# Altium PCB Power_Board_2.PcbDoc (part 2 of 6) (continued)
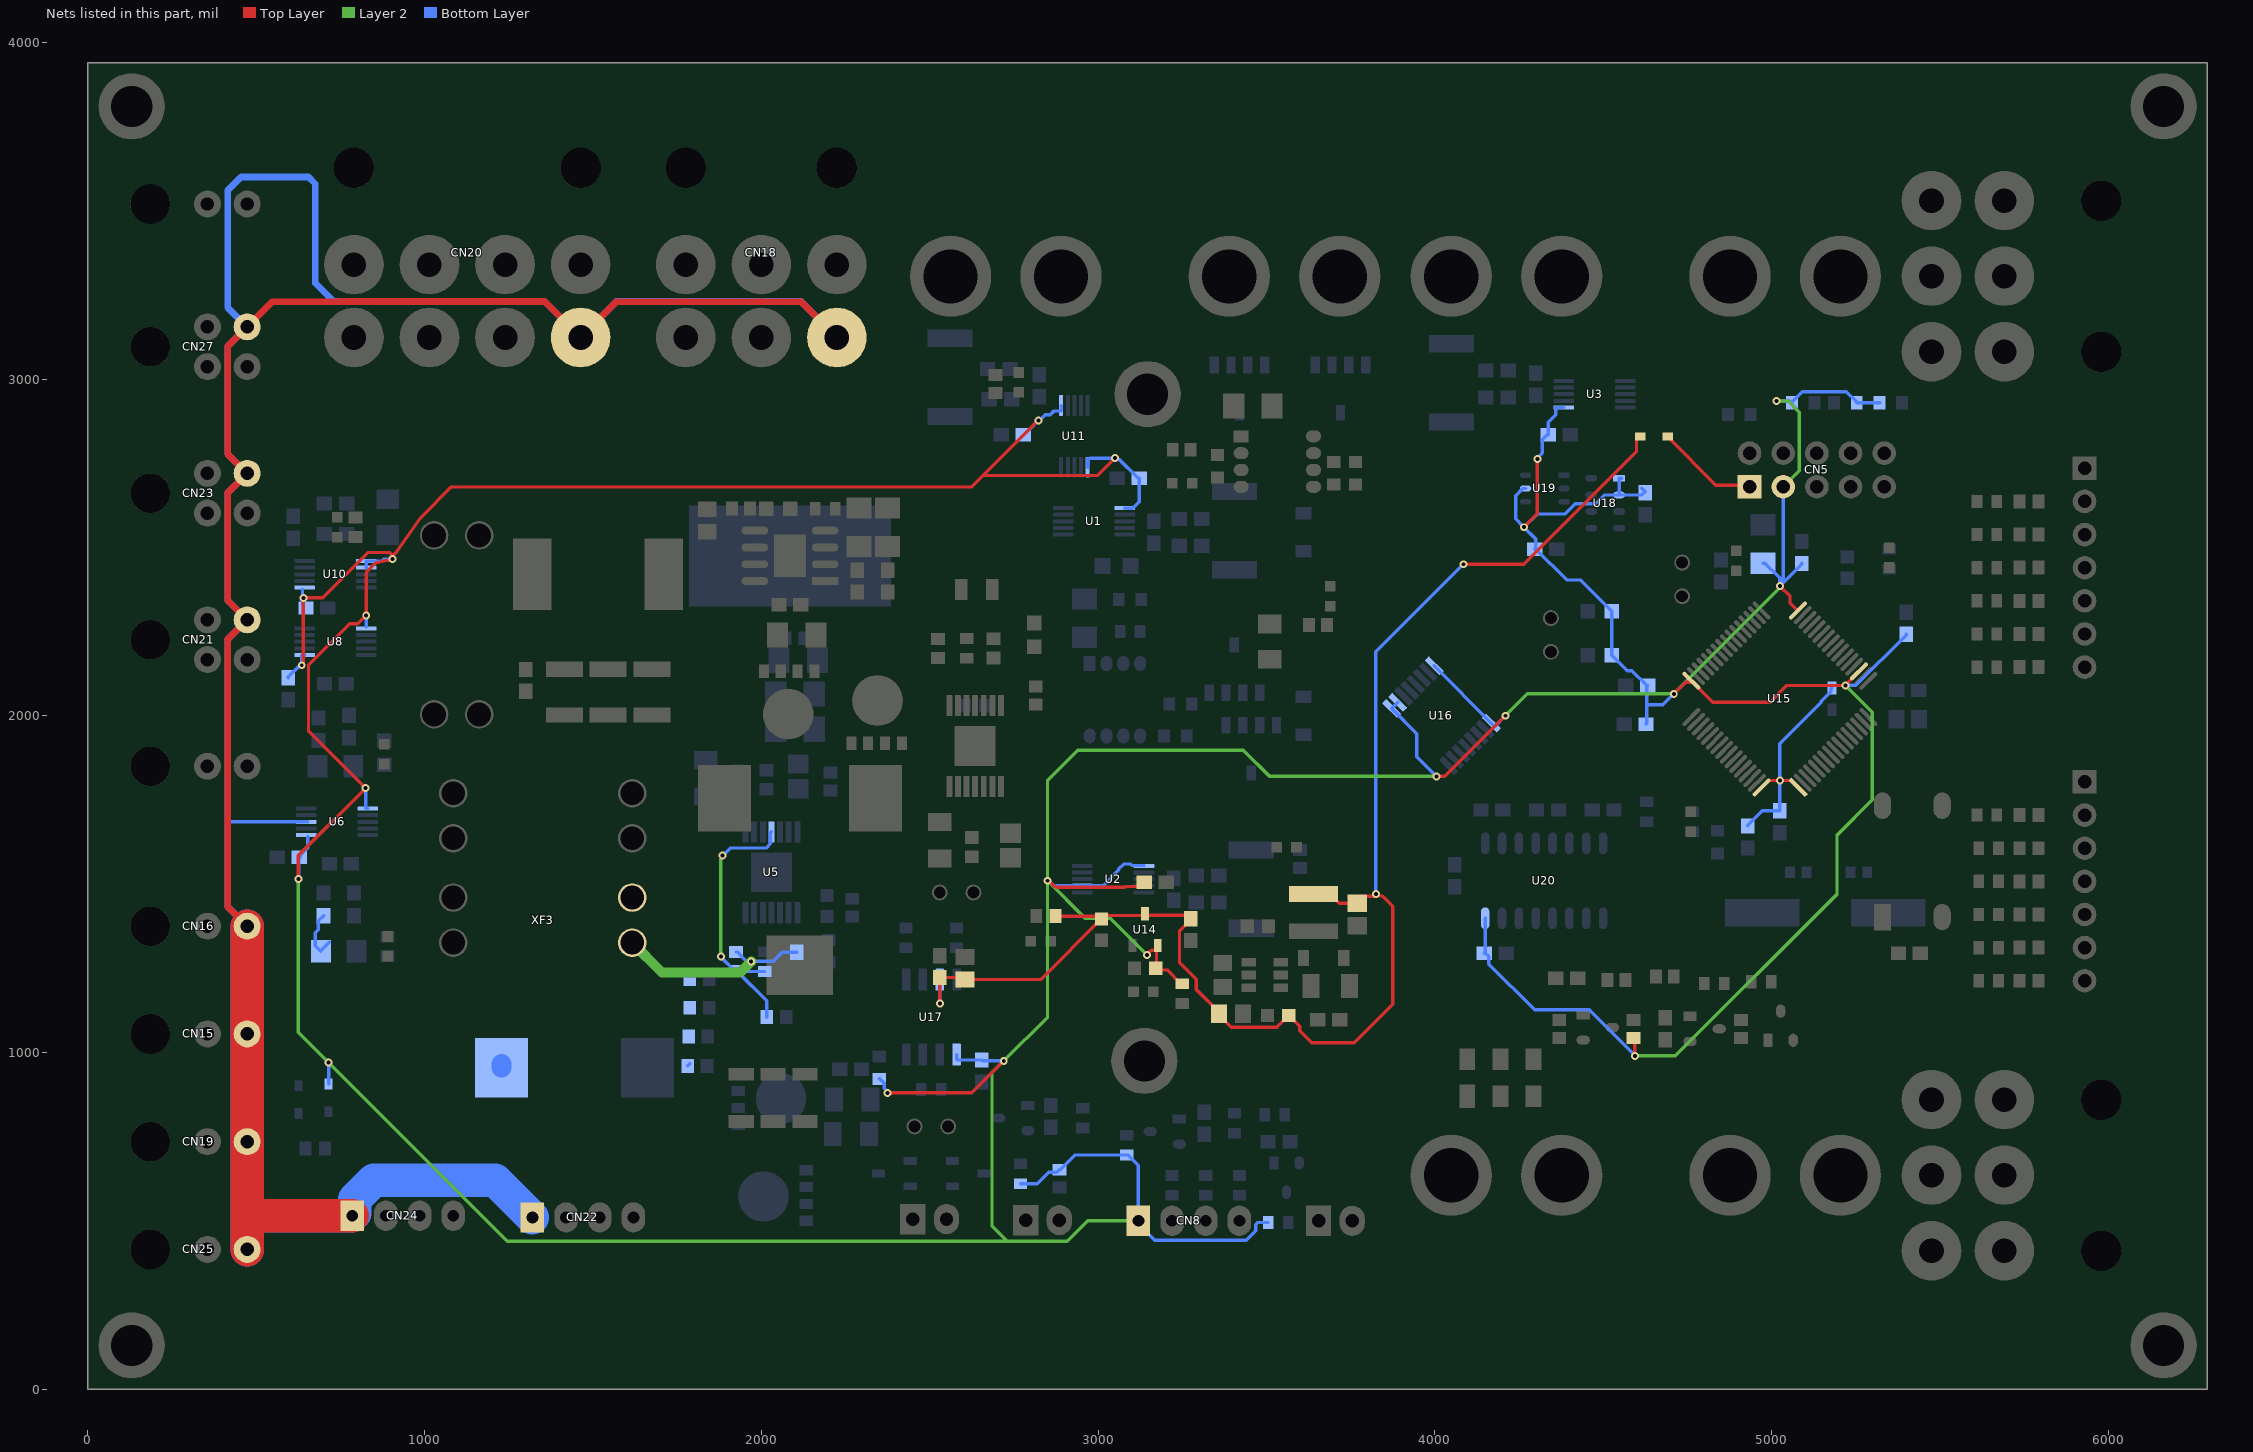
[diagram p3: the nets of this part, all layers, seen from the top]
## Part data (continued)
R2 R3 R75 R86: library part CMP-00072-2, "VISHAY         CRCW06036K34FKEA.             SMD Chip Resistor, Thick Film, 6.34 kohm, 75 V, 0603 [1608 Metric], 100 mW,  1%, CRCW Series", Case Code (Imperial)=0603, Case Code (Metric)=1608, Max Operating Temperature=155°C, Max Power Dissipation=100mW, Min Operating Temperature=-55°C, Package Quantity=10, Resistance=6.34kR, Temperature Coefficient=100ppm/°C, Tolerance=1%, Voltage Rating=75V, Case/Package=0603, Composition="Thick Film", Contact Plating=Tin, Depth=0.85mm, Features="Automotive AEC-Q200", Height=0.45mm, Length=1.55mm, Military Standard=Not, Number of Pins=2, Number of Terminations=2, packaging="Tape and Reel", Power Rating=100mW, Radiation Hardening=No, REACH SVHC=Unknown, Termination=SMD/SMT, Weight=7.1E-05oz, Width=0.033inch
R4 R5 R15 R16 R17 R18 R49 R50 R60 R61 R69 R70 R76 R77: library part CMP-00034-3, "PANASONIC - ERJ3EKF10R0V - SMD Chip Resistor, 0603 [1608 Metric], 10 ohm, ERJ3EK Series, 75 V, Thick Film, 100 mW", Case Code (Imperial)=0603, Case Code (Metric)=1608, Max Operating Temperature=155°C, Max Power Dissipation=100mW, Min Operating Temperature=-55°C, Package Quantity=5000, Resistance=10R, Temperature Coefficient=100ppm/°C, Tolerance=1%, Voltage Rating=75V, Case/Package=0603, Composition="Thick Film", Contact Plating=Tin, Depth=0.8mm, Features="Automotive AEC-Q200", Height=0.45mm, Lead Free="Lead Free", Length=1.6mm, Military Standard=Not, Mount="Surface Mount", Number of Pins=2, Number of Terminations=2, packaging="Tape and Reel", Power Rating=100mW, Radiation Hardening=No, REACH SVHC="No SVHC", Termination=SMD/SMT, Voltage Rating (DC)=75V, Width=0.8mm, Working Voltage=75V
R6 R7 R8 R74: library part CMP-047-0000-2, "300 µOhms ±1% 3W Chip Resistor 2512 (6432 Metric) Automotive AEC-Q200, Current Sense, Moisture Resistant Metal Element", Case Code (Imperial)=2512, Case Code (Metric)=6432, Max Operating Temperature=170°C, Max Power Dissipation=3W, Min Operating Temperature=-55°C, Package Quantity=4000, Resistance=0.3mR, Temperature Coefficient=150ppm/°C, Tolerance=1%, Case/Package=2512, Composition="Metal Element", Features="Moisture Resistant,Automotive AEC-Q200", Height=0.038inch, Length=0.256inch, Number of Terminations=2, packaging="Cut Tape", Width=0.128inch
R9 R10 R11 R12 R13 R14 R30 R31 R32 R33 R34 R35 R36 R44 R52 R55 R63 R71 R94 R108 R113 R114 R115 R116 R117 R118 R119 R120 R121 R122: library part CMP-00037-2, "Res General Purpose Thick Film 0603 10K Ohm 1% 1/10W ±100ppm/°C Molded SMD Paper T/R", Case Code (Imperial)=0603, Case Code (Metric)=1608, Max Operating Temperature=155°C, Min Operating Temperature=-55°C, Power Rating=100mW, Resistance=10kR, Temperature Coefficient=100ppm/°C, Tolerance=1%, Voltage Rating=75V, Voltage Rating (DC)=50V, Case/Package=0603, Composition="Thick Film", Depth=0.8mm, Height=0.45mm, Lead Free="Lead Free", Lead Pitch=0.3mm, Length=1.6mm, Military Standard=Not, Number of Pins=2, packaging="Tape and Reel", REACH SVHC="No SVHC", Termination=SMD/SMT, Weight=7.1E-05oz, Width=0.8mm
R19 R37: library part CMP-00080-2, "GLOVE, POLYAMIDE, L/FREE, PU, SIZE 6 - More Details", Case Code (Imperial)=0603, Case Code (Metric)=1608, Max Operating Temperature=155°C, Max Power Dissipation=100mW, Min Operating Temperature=-55°C, Package Quantity=1, Resistance=5.23kR, Temperature Coefficient=100ppm/°C, Tolerance=1%, Voltage Rating=75V, Voltage Rating (DC)=50V, Case/Package=0603, Composition="Thick Film", Contact Plating=Tin, Depth=0.8mm, Features="Automotive AEC-Q200", Height=0.022inch, Lead Free="Lead Free", Length=1.6mm, Military Standard=Not, Mount="Surface Mount", Number of Terminations=2, packaging="Tape and Reel", Power Rating=100mW, Radiation Hardening=No, REACH SVHC="No SVHC", Termination=SMD/SMT, Width=0.031inch
R20 R38: library part CMP-00081-2, "RESISTOR, 0603, 21K 1%, 0.1W", Case Code (Imperial)=0603, Case Code (Metric)=1608, Max Operating Temperature=155°C, Max Power Dissipation=100mW, Min Operating Temperature=-55°C, Package Quantity=1, Resistance=21kR, Temperature Coefficient=100ppm/°C, Tolerance=1%, Voltage Rating=75V, Voltage Rating (DC)=50V, Case/Package=0603, Composition="Thick Film", Contact Plating=Tin, Depth=0.8mm, Features="Automotive AEC-Q200", Height=0.022inch, Lead Free="Lead Free", Length=1.6mm, Military Standard=Not, Mount="Surface Mount", Number of Terminations=2, packaging="Tape and Reel", Power Rating=100mW, Radiation Hardening=No, REACH SVHC=Unknown, Termination=SMD/SMT, Width=0.8mm, Working Voltage=75V
R21 R39: library part CMP-00082-2, "PANASONIC - ERJ3EKF3652V - SMD Chip Resistor, 0603 [1608 Metric], 36.5 kohm, ERJ3EK Series, 75 V, Thick Film, 100 mW", Case Code (Imperial)=0603, Case Code (Metric)=1608, Max Operating Temperature=155°C, Max Power Dissipation=100mW, Min Operating Temperature=-55°C, Package Quantity=5000, Resistance=36.5kR, Temperature Coefficient=100ppm/°C, Tolerance=1%, Voltage Rating=75V, Voltage Rating (DC)=50V, Case/Package=0603, Composition="Thick Film", Contact Plating=Tin, Depth=0.8mm, Features="Automotive AEC-Q200", Height=0.45mm, Lead Free="Lead Free", Length=1.6mm, Military Standard=Not, Mount="Surface Mount", Number of Terminations=2, packaging="Tape and Reel", Power Rating=100mW, Radiation Hardening=No, REACH SVHC="No SVHC", Termination=SMD/SMT, Width=0.031inch
R22 R40: library part CMP-00083-2, "ICK FILM, RESISTOR, 52.3KOHM, 100mW, ±1%; Product Range:PANASONIC - ERJ Series; Resistance:52.3kohm; Power Rating:100mW; Resistance Tolerance:± 1%; Resistor Case Style:0603 ^1608 Metric]; Resistor Element Type:Thick Film; MSL:-", Case Code (Imperial)=0603, Case Code (Metric)=1608, Max Operating Temperature=155°C, Max Power Dissipation=100mW, Min Operating Temperature=-55°C, Package Quantity=1, Resistance=52.3kR, Temperature Coefficient=100ppm/°C, Tolerance=1%, Voltage Rating=75V, Voltage Rating (DC)=50V, Case/Package=0603, Composition="Thick Film", Contact Plating=Tin, Depth=0.8mm, Features="Automotive AEC-Q200", Height=0.022inch, Lead Free="Lead Free", Length=1.6mm, Military Standard=Not, Mount="Surface Mount", Number of Terminations=2, packaging="Tape and Reel", Power Rating=100mW, Radiation Hardening=No, REACH SVHC="No SVHC", Termination=SMD/SMT, Width=0.8mm
R23 R41: library part CMP-00084-2, "SISTOR, THICK FILM, 66.5KOHM, 100mW,1%; Product Range:PANASONIC - ERJ Series; Resistance:66.5kohm; Power Rating:100mW; Resistance Tolerance:± 1%; Resistor Case Style:0603 ^1608 Metric]; Resistor Element Type:Thick Film; MSL:-", Case Code (Imperial)=0603, Case Code (Metric)=1608, Max Operating Temperature=155°C, Max Power Dissipation=100mW, Min Operating Temperature=-55°C, Package Quantity=1, Resistance=66.5kR, Temperature Coefficient=100ppm/°C, Tolerance=1%, Voltage Rating=75V, Voltage Rating (DC)=50V, Case/Package=0603, Composition="Thick Film", Contact Plating=Tin, Depth=0.8mm, Features="Automotive AEC-Q200", Height=0.022inch, Lead Free="Lead Free", Length=1.6mm, Military Standard=Not, Mount="Surface Mount", Number of Terminations=2, packaging="Tape and Reel", Power Rating=100mW, Radiation Hardening=No, REACH SVHC=Yes, Termination=SMD/SMT, Width=0.8mm
R24 R42: library part CMP-00085-2, "RES SMD 82.5K OHM 1% 1/10W 0603", Case Code (Imperial)=0603, Case Code (Metric)=1608, Max Operating Temperature=155°C, Max Power Dissipation=100mW, Min Operating Temperature=-55°C, Package Quantity=1, Resistance=82.5kR, Temperature Coefficient=100ppm/°C, Tolerance=1%, Voltage Rating=75V, Voltage Rating (DC)=50V, Case/Package=0603, Composition="Thick Film", Contact Plating=Tin, Depth=0.8mm, Features="Automotive AEC-Q200", Height=0.022inch, Lead Free="Lead Free", Length=1.6mm, Military Standard=Not, Mount="Surface Mount", Number of Terminations=2, packaging="Tape and Reel", Power Rating=100mW, Radiation Hardening=No, REACH SVHC="No SVHC", Termination=SMD/SMT, Width=0.031inch
R25 R26 R78 R79: library part CMP-047-0030-1, Component Type=Standard, Created By="Gabriel Green", Date Created=2017-06-23, Design Item ID="20.5 Ohm, 1%, 1/10W , 0603, SMD", Pin Count=2, Publisher=AUVic, Source=AUVic_Schematic_Library_Resistors.SchLib
R27: library part CMP-047-0066-1, Component Type=Standard, Created By="Ashwin Sira", Date Created=2016-06-10, Design Item ID="715R, 1%, 1/10W, 0603, SMD", Pin Count=2, Publisher=AUVic, Source=AUVic_Schematic_Library_Resistors.SchLib
R43 R84: library part CMP-00071-2, "SMD Chip Resistor, 0603 [1608 Metric], 536 ohm, ERJ3EK Series, 75 V, Thick Film, 100 mW", Case Code (Imperial)=0603, Case Code (Metric)=1608, Max Operating Temperature=155°C, Max Power Dissipation=100mW, Min Operating Temperature=-55°C, Package Quantity=1, Resistance=536R, Temperature Coefficient=100ppm/°C, Tolerance=1%, Voltage Rating=75V, Voltage Rating (DC)=50V, Case/Package=0603, Composition="Thick Film", Contact Plating=Tin, Depth=0.8mm, Features="Automotive AEC-Q200", Height=0.022inch, Lead Free="Lead Free", Length=1.6mm, Military Standard=Not, Mount="Surface Mount", Number of Terminations=2, packaging="Tape and Reel", Power Rating=100mW, REACH SVHC="No SVHC", Termination=SMD/SMT, Width=0.8mm
R45 R56 R67: library part CMP-00031-1, "RES 0.002 OHM 1W 1% 1206", Case Code (Imperial)=1206, Case Code (Metric)=3216, Max Operating Temperature=170°C, Max Power Dissipation=1W, Min Operating Temperature=-55°C, Package Quantity=1, Resistance=2mR, Temperature Coefficient=50ppm/°C, Tolerance=1%, Case/Package=1206, Composition="Metal Element", Height=0.024inch, Length=0.126inch, Number of Terminations=2, packaging="Tape and Reel", Width=0.063inch
R46: library part CMP-00021-2, "Res Thick Film 0603 44.2K Ohm 1% 0.1W(1/10W) ±100ppm/C Pad SMD Automotive T/R", Case Code (Imperial)=0603, Case Code (Metric)=1608, Max Operating Temperature=155°C, Max Power Dissipation=100mW, Min Operating Temperature=-55°C, Package Quantity=10, Resistance=44.2kR, Temperature Coefficient=100ppm/°C, Tolerance=1%, Voltage Rating=75V, Case/Package=0603, Composition="Thick Film", Contact Plating=Tin, Depth=0.85mm, Features="Automotive AEC-Q200", Height=0.45mm, Lead Free="Lead Free", Length=1.55mm, Military Standard=Not, Number of Terminations=2, packaging="Tape and Reel", Power Rating=100mW, Radiation Hardening=No, REACH SVHC=Unknown, Termination=SMD/SMT, Voltage Rating (DC)=75V, Weight=7.1E-05oz, Width=0.85mm
R47 R58: library part CMP-00026-2, "Res Thick Film 0603 1.3K Ohm 1% 1/10W 100ppm/C Molded SMD SMD Paper T/R", Case Code (Imperial)=0603, Case Code (Metric)=1608, Max Operating Temperature=155°C, Min Operating Temperature=-55°C, Package Quantity=5000, Power Rating=100mW, Resistance=1.3kR, Temperature Coefficient=100ppm/°C, Tolerance=1%, Voltage Rating=75V, Case/Package=0603, Composition="Thick Film", Contact Plating=Tin, Depth=0.85mm, Height=0.45mm, Lead Free="Lead Free", Length=1.55mm, Military Standard=Not, Number of Pins=2, packaging="Tape and Reel", Radiation Hardening=No, REACH SVHC=Unknown, Termination=SMD/SMT, Voltage Rating (DC)=75V, Weight=7.1E-05oz, Width=0.85mm
R48: library part CMP-00028-1, "RES SMD 5.49M OHM 1% 1/10W 0603", Case Code (Imperial)=0603, Case Code (Metric)=1608, Max Operating Temperature=155°C, Max Power Dissipation=100mW, Min Operating Temperature=-55°C, Package Quantity=10, Resistance=5.49MR, Temperature Coefficient=100ppm/°C, Tolerance=1%, Voltage Rating=75V, Case/Package=0603, Composition="Thick Film", Contact Plating=Tin, Depth=0.85mm, Features="Automotive AEC-Q200", Height=0.02inch, Lead Free="Lead Free", Length=1.55mm, Military Standard=Not, Number of Pins=2, Number of Terminations=2, packaging="Tape and Reel", Power Rating=100mW, Radiation Hardening=No, REACH SVHC=Unknown, Termination=SMD/SMT, Voltage Rating (DC)=75V, Weight=7.1E-05oz, Width=0.033inch
R51: library part CMP-00029-2, "Res Thick Film 0603 73.2K Ohm 1% 0.1W(1/10W) ±100ppm/C Pad SMD Automotive T/R", Case Code (Imperial)=0603, Case Code (Metric)=1608, Max Operating Temperature=155°C, Max Power Dissipation=100mW, Min Operating Temperature=-55°C, Package Quantity=1, Resistance=73.2kR, Temperature Coefficient=100ppm/°C, Tolerance=1%, Voltage Rating=75V, Voltage Rating (DC)=50V, Case/Package=0603, Composition="Thick Film", Contact Plating=Tin, Depth=0.8mm, Features="Automotive AEC-Q200", Height=0.022inch, Lead Free="Lead Free", Length=1.6mm, Military Standard=Not, Mount="Surface Mount", Number of Terminations=2, packaging="Tape and Reel", Power Rating=100mW, Radiation Hardening=No, REACH SVHC="No SVHC", Termination=SMD/SMT, Width=0.031inch
R54 R95 R96: library part CMP-00074-2, "RES SMD 2.26K OHM 1% 1/10W 0603", Case Code (Imperial)=0603, Case Code (Metric)=1608, Max Operating Temperature=155°C, Max Power Dissipation=100mW, Min Operating Temperature=-55°C, Package Quantity=1, Resistance=2.26kR, Temperature Coefficient=100ppm/°C, Tolerance=1%, Voltage Rating=50V, Case/Package=0603, Composition="Thick Film", Depth=0.8mm, Features="Moisture Resistant", Height=0.022inch, Lead Free="Lead Free", Length=1.6mm, Military Standard=Not, Number of Terminations=2, packaging="Tape and Reel", Power Rating=100mW, Termination=SMD/SMT, Voltage Rating (DC)=50V, Width=0.8mm
R57: library part CMP-00056-3, "GLOVE, POLYAMIDE, L/FREE, PU, SIZE 6 - More Details", Case Code (Imperial)=0603, Case Code (Metric)=1608, Max Operating Temperature=155°C, Max Power Dissipation=100mW, Min Operating Temperature=-55°C, Package Quantity=1, Resistance=412kR, Temperature Coefficient=100ppm/°C, Tolerance=1%, Voltage Rating=75V, Case/Package=0603, Composition="Thick Film", Contact Plating=Tin, Depth=0.8mm, Features="Automotive AEC-Q200", Height=0.45mm, Lead Free="Contains Lead", Length=1.6mm, Military Standard=Not, Mount="Surface Mount", Number of Terminations=2, packaging="Tape and Reel", Power Rating=100mW, Radiation Hardening=No, REACH SVHC="No SVHC", Termination=SMD/SMT, Voltage Rating (DC)=75V, Weight=7.1E-05oz, Width=0.8mm
R59: library part CMP-00052-2, "RES SMD 9.76M OHM 1% 1/10W 0603", Case Code (Imperial)=0603, Case Code (Metric)=1608, Max Operating Temperature=155°C, Max Power Dissipation=100mW, Min Operating Temperature=-55°C, Package Quantity=10, Resistance=9.76MR, Temperature Coefficient=100ppm/°C, Tolerance=1%, Voltage Rating=75V, Case/Package=0603, Composition="Thick Film", Contact Plating=Tin, Depth=0.85mm, Features="Automotive AEC-Q200", Height=0.02inch, Lead Free="Lead Free", Length=1.55mm, Military Standard=Not, Number of Pins=2, Number of Terminations=2, packaging="Tape and Reel", Power Rating=100mW, Radiation Hardening=No, REACH SVHC=Unknown, Termination=SMD/SMT, Voltage Rating (DC)=75V, Weight=7.1E-05oz, Width=0.033inch
R62: library part CMP-00055-2, "RES, THICK FILM, 191KOHM, 0.1W, 0603", Case Code (Imperial)=0603, Case Code (Metric)=1608, Max Operating Temperature=155°C, Max Power Dissipation=100mW, Min Operating Temperature=-55°C, Package Quantity=1, Resistance=191kR, Temperature Coefficient=100ppm/°C, Tolerance=1%, Voltage Rating=75V, Voltage Rating (DC)=50V, Case/Package=0603, Composition="Thick Film", Contact Plating=Tin, Depth=0.8mm, Features="Automotive AEC-Q200", Height=0.45mm, Lead Free="Contains Lead", Length=1.6mm, Military Standard=Not, Mount="Surface Mount", Number of Terminations=2, packaging="Tape and Reel", Power Rating=100mW, REACH SVHC="No SVHC", Termination=SMD/SMT, Width=0.8mm
R66: library part CMP-00075-2, "RES SMD 3.32K OHM 1% 1/10W 0603", Case Code (Imperial)=0603, Case Code (Metric)=1608, Max Operating Temperature=155°C, Max Power Dissipation=100mW, Min Operating Temperature=-55°C, Package Quantity=5000, Resistance=3.32kR, Temperature Coefficient=100ppm/°C, Tolerance=1%, Voltage Rating=75V, Voltage Rating (DC)=50V, Case/Package=0603, Composition="Thick Film", Contact Plating=Tin, Depth=0.8mm, Features="Automotive AEC-Q200", Height=0.45mm, Lead Free="Lead Free", Length=1.6mm, Military Standard=Not, Mount="Surface Mount", Number of Terminations=2, packaging="Tape and Reel", Power Rating=100mW, Radiation Hardening=No, REACH SVHC="No SVHC", Termination=SMD/SMT, Width=0.031inch
R68 R102 R107 R109 R110 R111 R112: library part CMP-00036-2, "Resistor; Thick Film; 100 Kilohms; 0.1 W; 1%; SMT; 0603; TCR 37 ppm/DegC; Tape and Reel", Case Code (Imperial)=0603, Case Code (Metric)=1608, Max Operating Temperature=155°C, Max Power Dissipation=100mW, Min Operating Temperature=-55°C, Package Quantity=10, Resistance=100kR, Temperature Coefficient=100ppm/°C, Tolerance=1%, Voltage Rating=75V, Case/Package=0603, Composition="Thick Film", Contact Plating=Tin,Lead, Depth=0.85mm, Features="Automotive AEC-Q200", Height=0.45mm, Lead Free="Lead Free", Length=1.55mm, Military Standard=Not, Number of Pins=2, Number of Terminations=2, packaging="Tape and Reel", Power Rating=100mW, Radiation Hardening=No, REACH SVHC=Unknown, Termination=SMD/SMT, Voltage Rating (DC)=75V, Weight=7.1E-05oz, Width=0.033inch
R72: library part CMP-00039-2, "RES SMD 6.65K OHM 1% 1/10W 0603", Case Code (Imperial)=0603, Case Code (Metric)=1608, Max Operating Temperature=155°C, Max Power Dissipation=100mW, Min Operating Temperature=-55°C, Package Quantity=1, Resistance=6.65kR, Temperature Coefficient=100ppm/°C, Tolerance=1%, Voltage Rating=50V, Case/Package=0603, Composition="Thick Film", Depth=0.8mm, Features="Moisture Resistant", Height=0.022inch, Lead Free="Lead Free", Length=1.6mm, Military Standard=Not, Number of Terminations=2, packaging="Tape and Reel", Power Rating=100mW, Termination=SMD/SMT, Voltage Rating (DC)=50V, Width=0.031inch
R80 R87 R89 R91 R92 R97 R98: library part CMP-047-0013-1, Component Type=Standard, Created On=14-05-31, Design Item ID="10kR, 1%, 1/10W, 0603 SMD", Last Edited=14-05-31, Made By="Ashwin Sira", Owned By=AUVic, Pin Count=2, Source=AUVic_Schematic_Library_Resistors.SchLib
R82: library part CMP-047-0041-1, Component Type=Standard, Created By="Lyden Smith", Created On=2017-06-04, Design Item ID="3.9k, 5%, 1/8W, 0805 SMD", Pin Count=2, Source=AUVic_Schematic_Library_Resistors.SchLib
R83: library part CMP-047-0063-1, Component Type=Standard, Created By="Lyden Smith", Created On=2017-06-04, Design Item ID="680, 5%, 1/8W, 0805 SMD", Pin Count=2, Source=AUVic_Schematic_Library_Resistors.SchLib
R85 R88 R90: library part CMP-00069-2, "RES SMD 110 OHM 1% 1/10W 0603", Case Code (Imperial)=0603, Case Code (Metric)=1608, Max Operating Temperature=155°C, Max Power Dissipation=100mW, Min Operating Temperature=-55°C, Package Quantity=1, Resistance=110R, Temperature Coefficient=100ppm/°C, Tolerance=1%, Voltage Rating=50V, Working Voltage=75V, Case/Package=0603, Composition="Thick Film", Depth=0.8mm, Features="Moisture Resistant", Height=0.022inch, Lead Free="Lead Free", Length=1.6mm, Military Standard=Not, Number of Terminations=2, packaging="Tape and Reel", Power Rating=100mW, Termination=SMD/SMT, Voltage Rating (DC)=50V, Width=0.031inch
R93: library part CMP-00067-3, "Res Thick Film 0603 330 Ohm 1% 0.1W(1/10W) +/-100ppm/ßC Pad SMD Automotive T/R", Case Code (Imperial)=0603, Case Code (Metric)=1608, Max Operating Temperature=155°C, Max Power Dissipation=100mW, Min Operating Temperature=-55°C, Package Quantity=10, Resistance=330R, Temperature Coefficient=100ppm/°C, Tolerance=1%, Voltage Rating=75V, Case/Package=0603, Composition="Thick Film", Contact Plating=Tin, Depth=0.85mm, Features="Automotive AEC-Q200", Height=0.45mm, Lead Free="Lead Free", Length=1.55mm, Military Standard=Not, Mount="Surface Mount", Number of Terminations=2, packaging="Tape and Reel", Power Rating=100mW, Radiation Hardening=No, REACH SVHC=Unknown, Termination=SMD/SMT, Voltage Rating (DC)=75V, Weight=7.1E-05oz, Width=0.033inch
R99 R101: library part CMP-00060-2, "Res Thick Film 0603 33 Ohm 1% 1/10W +/-100ppm/ßC Molded SMD Paper T/R", Case Code (Imperial)=0603, Case Code (Metric)=1608, Max Operating Temperature=155°C, Max Power Dissipation=100mW, Min Operating Temperature=-55°C, Package Quantity=1, Resistance=33R, Temperature Coefficient=100ppm/°C, Tolerance=1%, Voltage Rating=75V, Voltage Rating (DC)=50V, Case/Package=0603, Composition="Thick Film", Depth=0.8mm, Features="Moisture Resistant", Height=0.45mm, Lead Free="Lead Free", Lead Pitch=0.3mm, Length=1.6mm, Military Standard=Not, Number of Pins=2, Number of Terminations=2, packaging="Tape and Reel", Power Rating=100mW, REACH SVHC="No SVHC", Termination=SMD/SMT, Weight=7.1E-05oz, Width=0.8mm
R100: library part CMP-00061-2, "Res Thick Film 0603 120 Ohm 1% 0.1W(1/10W) ±100ppm/C Epoxy SMD T/R", Case Code (Imperial)=0603, Case Code (Metric)=1608, Max Operating Temperature=155°C, Max Power Dissipation=100mW, Min Operating Temperature=-55°C, Package Quantity=1, Resistance=120R, Temperature Coefficient=100ppm/°C, Tolerance=1%, Voltage Rating=50V, Case/Package=0603, Composition="Thick Film", Depth=0.8mm, Features="Moisture Resistant", Height=0.022inch, Lead Free="Lead Free", Length=1.6mm, Military Standard=Not, Number of Pins=2, Number of Terminations=2, packaging="Tape and Reel", Power Rating=100mW, REACH SVHC="No SVHC", Termination=SMD/SMT, Voltage Rating (DC)=50V, Width=0.031inch
R104: library part CMP-00062-2, "Res Thick Film 0603 1K Ohm 1% 1/10W ±100ppm/°C Molded SMD Punched Carrier T/R", Case Code (Imperial)=0603, Case Code (Metric)=1608, Max Operating Temperature=155°C, Max Power Dissipation=100mW, Min Operating Temperature=-55°C, Package Quantity=5000, Resistance=1kR, Temperature Coefficient=100ppm/°C, Tolerance=1%, Voltage Rating=75V, Case/Package=0603, Composition="Thick Film", Contact Plating=Tin, Depth=0.8mm, Features="Automotive AEC-Q200", Height=0.45mm, Lead Free="Lead Free", Length=1.6mm, Military Standard=Not, Mount="Surface Mount", Number of Pins=2, Number of Terminations=2, packaging="Tape and Reel", Power Rating=100mW, Radiation Hardening=No, REACH SVHC="No SVHC", Termination=SMD/SMT, Voltage Rating (DC)=75V, Width=0.8mm
SW1: library part CMP-00077-1, "Black Switch Tactile N.O. SPST Round Button Gull Wing 0.05A 12VDC 100000Cycles 1.27N SMD T/R", Button Colour=Black, Contact Resistance=100mR, Current Rating=50mA, Max Operating Temperature=60°C, Max Voltage Rating (DC)=12V, Min Operating Temperature=-20°C, Operating Force=1.27N, Package Quantity=1000, Actuator Length=0.85mm, Actuator Material=Nylon,Polyamide, Actuator Type=Standard, Color=Black, Contact Material=Bronze,Brass,Silver, Contact Plating=Silver, Depth=9mm, Illumination Type=Non-Illuminated, Lead Free="Lead Free", Length=6mm, Max Current Rating=50mA, Mechanical Life=100000Cycles, Mount="Surface Mount", Orientation=Straight, packaging="Tape and Reel", Switch Function=Off-Mom, Termination="Gull Wing", Throw Configuration=SPST, Voltage Rating (DC)=12V
SW2: library part CMP-050-0002-2, Component Type=Standard, Created By="Lyden Smith", Date Created=2017-09-20, Design Item ID="DPDT, 12V, 200mA, SMT", Pin Count=6, Source=AUVic_Integrated_Library_Switches.SchLib
U1 U2 U3 U6 U8 U10 U11: library part CMP-00032-1, "Bi Directional Current and Power Monitor 10-Pin VSSOP T/R", Case/Package=VSSOP, Input Bias Current=10uA, Input Offset Voltage (Vos)=2.5uV, Max Operating Temperature=125°C, Max Supply Voltage=5.5V, Min Operating Temperature=-40°C, Min Supply Voltage=2.7V, Nominal Supply Current=330uA, Output Current=10mA, Package Quantity=1, Accuracy=0.02%, Common Mode Rejection Ratio=140dB, Contact Plating=Gold, Lead Free="Lead Free", Mount="Surface Mount", Number of Pins=10, packaging="Tape and Reel", Radiation Hardening=No, REACH SVHC="No SVHC"
U4 U12: library part CMP-028-0000-2, "High-Side or Low-Side Gate Driver IC Non-Inverting 8-SOIC", Case/Package=SOIC, Max Operating Temperature=85°C, Max Output Current=10mA, Max Supply Voltage=30V, Min Operating Temperature=-40°C, Min Supply Voltage=2.75V, Package Quantity=2500, Channel Type=Single, Height=1.48mm, Lead Free="Lead Free", Length=4.93mm, Mount="Surface Mount", Number of Drivers=1, Number of Outputs=1, Number of Pins=8, packaging="Tape and Reel", Turn-Off Delay Time=30us, Turn-On Delay Time=8ms, Width=3.94mm
U5 U7: library part CMP-00012-1, "IC REG CTRLR BUCK 14TSSOP", Case/Package=TSSOP, Max Frequency=1MHz, Max Operating Temperature=125°C, Max Supply Voltage=42V, Min Operating Temperature=-40°C, Min Supply Voltage=6V, Output Current=12A, Output Voltage=600mV, Package Quantity=2500, Quiescent Current=3.5mA, Contact Plating=Tin,Matte, Duty Cycle=95%, Features=UVLO, Lead Free="Lead Free", Max Duty Cycle=96%, Mount="Surface Mount", Number of Outputs=1, Number of Pins=14, packaging="Tape and Reel", Radiation Hardening=No, REACH SVHC="No SVHC", Switching Frequency=1MHz
U9: library part CMP-08938-000005-1, "IC REG BUCK ADJ 3A 8HTSOP-J", Max Input Voltage=28V, Max Operating Temperature=85°C, Max Output Voltage=19.6V, Min Input Voltage=7V, Min Operating Temperature=-40°C, Min Output Voltage=1V, Output Current=3A, Switching Frequency=550kHz, Mount="Surface Mount", Number of Outputs=1, Output Configuration=Positive, Output Type=Adjustable, packaging="Cut Tape", Synchronous Rectifier=Yes
U13: library part CMP-045-0010-1, "DC-DC Regulator, 6V-42V in, 1V-29.4V out, 500mA", Component Type=Standard, Created By="Lyden Smith", Created On=2017-06-02, Design Item ID=BD9G101G-TR, Pin Count=6, Source=AUVic_Schematic_Library_Regulators.SchLib
U14: library part CMP-00003-1, "IC REG LINEAR 3.3V 250MA SOT23-3", Case/Package=SOT-23-3, Dropout Voltage=400mV, Max Input Voltage=6.6V, Max Operating Temperature=85°C, Max Output Current=250mA, Min Input Voltage=2.5V, Min Operating Temperature=-40°C, Output Voltage=3.3V, Package Quantity=3000, Quiescent Current=1uA, Supplier Part Number 1=AP2138N-3.3TRG1, Accuracy=2%, Created By="Poorna Chander Kalidas", Date Created="June 26, 2020", Height=1.3mm, Lead Free="Lead Free", Length=3.02mm, Mount="Surface Mount", Number of Outputs=1, Number of Pins=3, Number of Regulators=1, Output Current=250mA, Output Type=Fixed, packaging="Tape and Reel", Polarity=Positive, Supplier 1=Digi-Key, Weight=0.000282oz, Width=1.7mm
U15: library part CMP-00006-2, "STMICROELECTRONICS - STM32F413RGT6 - MCU, ARM CORTEX-M4, 100MHZ, LQFP-64", Case/Package=LQFP, Frequency=100MHz, Max Operating Temperature=85°C, Min Operating Temperature=-40°C, Core Architecture=ARM, Interface=I2C,SPI,USB,IrDA,MMC,SDIO,UART,USART, Memory Size=1MB, Memory Type=FLASH, Number of I/Os=50, Oscillator Type=Internal, packaging=Tray, Peripherals="Brown-out Detect/Reset,POR,PWM,WDT,DMA,LCD"
U16: library part CMP-00057-1, "IC SHFT REGSTR UNIV BIDIR16TSSOP", Case/Package=TSSOP, Max Operating Temperature=125°C, Max Supply Voltage=6V, Min Operating Temperature=-55°C, Min Supply Voltage=2V, Operating Supply Voltage=5V, Package Quantity=2000, Quiescent Current=8uA, Contact Plating=Gold, Direction=Bidirectional, Lead Free="Lead Free", Logic Function="Shift Register", Mount="Surface Mount", Number of Bits=4, Number of Bits per Element=4, Number of Circuits=1, Number of Elements=1, Number of Input Lines=6, Number of Output Lines=4, Number of Pins=16, packaging="Tape and Reel", Propagation Delay=30ns, Turn-On Delay Time=265ns, Weight=0.002183oz
U17: library part CMP-032-0000-2, "1/1 Transceiver Half CANbus 8-SO", Case/Package=SO, Max Operating Temperature=150°C, Max Supply Current=70mA, Max Supply Voltage=5.5V, Min Operating Temperature=-40°C, Min Supply Voltage=4.5V, Package Quantity=2500, Contact Plating=Gold, Data Rate=1Mbps, Interface=CAN, Lead Free="Lead Free", Mount="Surface Mount", Nominal Supply Current=70mA, Number of Pins=8, Number of Transceivers=1, packaging="Tape and Reel", Propagation Delay=250ns, Radiation Hardening=No, Turn-On Delay Time=250ns
U18: library part CMP-048-0005-2, "1kPa to 120 kPa", Component Type=Standard, Created On=2017-09-11, Design Item ID="MS560702BA03-50 Pressure Sensor", Made By="Andy Bates", Pin Count=8, Source=AUVic_Schematic_Library_Sensors.SchLib
U19: library part CMP-048-0009-1, "I2C Humidity and Temperature Sensor", Component Type=Standard, Created On=2019/09/08, Design Item ID=Si700XX, Made By="Andy Bates", Pin Count=4, Source=AUVic_Schematic_Library_Sensors.SchLib
U20: library part CMP-00015-1, "Dual Transmitter/Receiver RS-232 16-Pin SO T/R", Case/Package=SOIC, Max Operating Temperature=70°C, Max Supply Current=2mA, Max Supply Voltage=5.5V, Min Operating Temperature=0°C, Min Supply Voltage=3V, Nominal Supply Current=300uA, Output Voltage=5.4V, Package Quantity=1, Contact Plating=Tin,Matte, Data Rate=400Kbps, ESD Protection=No, Height=1.65mm, Interface=RS-232, Lead Free="Lead Free", Length=10mm, Logic Function=Receiver, Mount="Surface Mount", Number of Drivers=2, Number of Pins=16, Number of Receivers=2, Number of Transceivers=1, Number of Transmitters=2, packaging="Tape and Reel", Radiation Hardening=No, REACH SVHC="No SVHC", Width=4mm
X1: library part CMP-043-0007-1, "8Mhz 40ESR  16pF -20°C ~ 70°C", Component Type=Standard, Date Made=2017-09-18, Design Item ID="Oscillator 8MHz 40ESR", Made By="Lyden Smith", Pin Count=2, Source=AUVic_Schematic_Library_Oscillators.SchLib
XF1 XF2 XF6: library part CMP-00058-1, "FUSE HOLDER MAXI AUTO BLADE PC", Color=Black, Current Rating=40A, Max Operating Temperature=145°C, Min Operating Temperature=-50°C, Package Quantity=100, Voltage=500V, Approvals=UL, Body Material=Nylon,Glass, Contact Material=Copper,Tin, Contact Plating=Nickel, Depth=5.9mm, Fuse Current=40A, Fuse Type=Automotive, Illumination Type=Illuminated, Lead Free="Lead Free", Length=35.8mm, Material=Copper,Brass,Tin,Nylon, Mount=Vertical,PCB, Number of Circuits=1, Number of Poles=1, Orientation=Vertical, REACH SVHC="No SVHC", Termination="PC Pin", Voltage Rating (AC)=500V
XF3 XF4 XF5: library part CMP-00030-4, "Fuse Holder; Auto; 2 in1 Blade; THM; 1 Fuse; Vertical; 30 Amps", Color=Black, Current Rating=20A, Flammability Rating="UL94 V-0", Max Operating Temperature=145°C, Min Operating Temperature=-50°C, Package Quantity=1, Voltage=500V, Contact Material=Brass, Contact Plating=Tin, Depth=6.8mm, Fuse Current=20A, Fuse Type=Automotive, Illumination Type=Illuminated, Lead Free="Lead Free", Length=19.8mm, Material=Brass,Tin,Nylon, Mount=Vertical,PCB, Number of Circuits=1, Number of Poles=1, Orientation=Vertical, REACH SVHC="No SVHC", Termination="PC Pin", Voltage Rating (AC)=500V

## Free pads (board coordinates)
  rect 600x300 smd far side: 3(2085,2475)

## Via types
v1: diameter 23.62, hole 11.81, Top Layer to Bottom Layer, tented both sides, 3092 vias
v2: diameter 50, hole 12, Top Layer to Bottom Layer, tented both sides, 15 vias
v3: diameter 15.75, hole 7.87, Top Layer to Bottom Layer, tented both sides, 8 vias
v4: diameter 20, hole 12, Top Layer to Bottom Layer, tented both sides, 3 vias

## Nets (pads, with @x,y where several pads share a name; then routed paths per layer and width w, separated by ;. In a path a pad name is that pad's centre, name@x,y a point inside that pad or via, vN(x,y) a via of type N, cw(c..) or ccw(c..) an arc to the next point about the centre after c; other vN are vias at no path point)
3V3: C1.1 C3.1 C6.1 C22.1 C38.1 C50.1 C53.1 C57.2 C66.1 C67.1 C68.1 C69.1 C70.1 C71.1 C72.2 C75.1 C80.2 C81.1 C82.1 CN5.2 CN8.1 D18.K FB1.1 R85.2 R89.2 R91.2 R92.2 R95.2 R96.2 R98.2 R102.2 R111.2 R120.2 R121.2 R122.1 U1.6 U2.2 U2.6 U3.6 U6.1 U6.6 U8.1 U8.6 U10.1 U10.2 U10.6 U11.1 U11.6 U14.2 U15.1 U15.19 U15.32 U15.48 U15.64 U16.1 U16.9 U16.10 U16.16 U17.5 U18.1 U18.2 U19.5 U20.16 | length 22792.3
  Top Layer w10: v1(625,1515) 625,1585 v1(825,1785) 655,1955 655,2150 777.94,2272.94 800.88,2272.94 825.56,2297.61 v1(826.54,2297.61) 826.54,2426.54 852.79,2452.79 872.57,2458.51 891.51,2461.51 892.39,2462.39 902.39,2462.39 v1(905,2465) v1@905,2475 ; v1(635,2150) 635,2153.69 640,2158.69 v1(640,2350) 696.9,2350 831.48,2484.58 886.72,2485 895,2485 v1@905,2475 ; v1(2375,880) 2625,880 v1(2720,975) ; v1(2822.97,2877.54) 2659.13,2713.7 ; v1(2850,1510) 2853.69,1510 2870.43,1493.25 2873.27,1493.25 2876.33,1490.19 3080.28,1490.19 3083.09,1493 3125.44,1493 C3.1@3137.44,1505 ; v1(3050,2765) 2998.7,2713.7 2659.13,2713.7 ; v1(3145,1290) 3158.72,1303.72 U14.2@3170.59,1303.72 ; C57.2@3171.5,1250 3173.85,1252.35 3173.85,1314.2 U14.2@3177.4,1317.76 ; C57.2@3173.85,1245 3205.59,1245 3246.06,1204.53 R85.2@3250,1204.53 ; v1(4005,1820) 4030,1820 v1(4210,2000) ; v1(4264.96,2559.96) 4305,2600 v1(4305,2762.02) ; R111.2@4590,1043.43 4594.31,1039.12 4594.31,990.69 v1(4595,990) ; v1(4710,2065) 4745,2100 U15.48@4762.17,2100 ; U15.48@4762.17,2104.04 4825.64,2040.57 4996.57,2040.57 5046.01,2090 v1(5220,2090) ; U15.64@4970.96,1787.17 4991.5,1807.71 v1(5025,1807.71) 5058.5,1807.71 U15.1@5079.04,1787.17 ; v1(5025,2385) 5055.29,2354.71 5055.29,2334.71 U15.32@5075,2315 ; v1@5219.06,2090.94 U15.19@5259.99,2131.88 ; v1@905,2475 914.41,2484.41 915.49,2485.69 988.59,2588.59 991.52,2591.52 1079.58,2679.58 2625.02,2679.58 2659.13,2713.7
  Layer 2 w10: v1(625,1515) 625,1060 v1(715,970) 1246.03,438.97 2731.03,438.97 ; CN8.1@3120,500 2969.02,500 2907.99,438.97 2731.03,438.97 ; v1(3145,1290) 3036.3,1398.7 2961.3,1398.7 v1(2850,1510) ; v1(4005,1820) 3509.29,1820 3431.29,1898 2939.26,1898 2850,1808.74 v1(2850,1510) ; v1(4210,2000) 4275,2065 v1(4710,2065) 5023.35,2378.35 5023.35,2383.35 v1(5025,2385) ; v1(4595,990) 4715.09,990 5194.81,1469.72 5194.81,1644.9 5299.81,1749.9 5299.81,2010.19 v1(5220,2090) ; v1(5015,2935) 5050,2935 5083,2902 5083,2728 CN5.2@5035,2680 ; 2731.03,438.97 2685,485 2685,940 v1(2720,975) 2850,1105 v1(2850,1510)
  Bottom Layer w10: C38.1@595,2112.56 595,2115.43 v1@628.87,2149.31 ; v1(625,1515) 625.69,1515.69 625.69,1575.26 630.43,1580 C22.1@627.56,1580 ; C22.1@626.28,1581.28 652.64,1607.64 U6.6@652.64,1641.41 ; v1(635,2150) U8.6@635,2179.72 ; C50.1@637.36,2330.08 U10.6@637.36,2375.3 ; U8.6@637.64,2174.8 U8.6@643.46,2180.63 ; D18.K@715,906.34 v1(715,970) ; v1(825,1785) 825,1725.28 825.91,1724.37 U6.1@831.54,1724.37 ; U8.1@826.54,2263.46 v1(826.54,2297.61) ; U10.2@826.54,2439.69 U10.1@826.54,2459.37 826.85,2459.68 873.19,2459.68 878.19,2464.69 904.69,2464.69 v1(905,2465) ; R98.2@2350,921.54 2351.97,921.54 2364.69,908.82 2364.69,894 2375,883.69 v1(2375,880) ; U17.5@2580,993.78 2580,980.35 2582.8,977.56 C75.1@2655,977.56 2657.56,975 v1(2720,975) ; R122.1@2770,610.47 2819.69,610.47 2853.07,643.86 2877.28,643.86 R102.2@2885,651.57 2887.95,651.57 2931.85,695.47 R121.2@3085,695.47 3088.94,695.47 3120,664.41 CN8.1@3120,500 3120,490 3168,442 3439.88,442 3468,470.12 3468,488.28 3474.72,495 R120.2@3505.47,495 ; C53.1@2795.36,2849.92 v1(2822.97,2877.54) 2826.66,2877.54 2842.76,2893.64 2857.76,2893.64 2869.27,2905.15 2889.72,2905.15 2890.63,2906.05 U11.6@2890.63,2921.54 ; v1(2850,1510) 2853.69,1510 2868.5,1495.19 2906.27,1495.19 2906.4,1495.31 U2.2@2953.46,1495.31 3015.08,1495.31 3062.07,1542.3 3062.07,1545.09 3076.6,1559.62 3097.16,1559.62 3101.5,1555.28 3135.63,1555.28 U2.6@3136.54,1554.37 ; U11.1@2969.37,2738.46 2969.37,2763.07 2970.28,2763.98 2975.11,2763.98 2976.13,2765 v1(3050,2765) 3052.61,2762.39 3062.29,2762.39 3119.68,2705 C1.1@3122.56,2705 3122.56,2635.59 3103.74,2616.77 U1.6@3079.14,2616.77 ; U16.10@3889.85,2039.67 U16.9@3871.76,2021.58 3946.44,1946.89 3946.44,1878.56 v1(4005,1820) ; U16.16@3998.42,2148.24 U16.1@4168.24,1978.42 4175.61,1971.06 4181.06,1971.06 v1(4210,2000) ; C80.2@4147.44,1295 C80.2@4150,1295 ; U20.16@4150,1398.78 C80.2@4150,1295 ; U19.5@4270,2675 4262.13,2675 4240.27,2653.14 4240.27,2584.64 v1(4264.96,2559.96) ; v1(4305,2762.02) 4305,2765.71 4319.64,2780.35 4319.64,2820.08 4334.57,2835 C6.1@4337.44,2835 4337.44,2872.07 4359.9,2894.53 4359.9,2914.72 4360.81,2915.63 U3.6@4383.46,2915.63 ; U18.1@4555.16,2705 U18.1@4547.6,2705 U18.2@4547.6,2655.79 ; v1(4595,990) 4458.7,1126.3 4296.54,1126.3 4160.24,1262.6 4160.24,1285.08 4150.32,1295 C80.2@4150,1295 ; C81.1@4615.08,2675.36 4625,2665.43 4615.35,2655.79 U18.2@4547.6,2655.79 ; C69.1@4627.56,1975 4630.06,1977.5 4630.06,2032.5 ; v1(4710,2065) 4677.5,2032.5 4630.06,2032.5 ; C67.1@4930,1672.56 4930,1675.43 4972.13,1717.56 C66.1@5025,1717.56 v1(5025,1807.71) 5025,1917.47 5148.22,2040.69 5148.22,2043.68 5176.22,2071.68 5176.22,2078.7 FB1.1@5180,2082.48 ; C72.2@4975,2452.91 4980.91,2452.91 5024.31,2409.51 5024.31,2385.69 v1(5025,2385) 5025.43,2385 5090,2449.57 C70.1@5090,2452.44 ; v1(5015,2935) 5056.54,2935 R89.2@5061.54,2930 ; 5035,2395.98 CN5.2@5035,2680 ; R89.2@5061.54,2931.97 5092.25,2962.69 5222.75,2962.69 5253.46,2931.97 R91.2@5253.46,2930 R92.2@5321.54,2930 ; FB1.1@5183.78,2090 v1(5220,2090) 5220.69,2090.69 5251.13,2090.69 5400,2239.57 C68.1@5400,2242.44 ; v1(4264.96,2559.96) 4299.96,2524.96 4299.96,2497.51 C82.1@4297.44,2495 4300.32,2495 4391.95,2403.36 4432.07,2403.36 R96.2@4525.43,2310 R95.2@4525.43,2180 4571.3,2134.14 4585.55,2134.14 4629.68,2090 C71.1@4632.56,2090 4630.06,2087.5 4630.06,2032.5 ; v1(4264.96,2559.96) 4304.2,2599.2 4386.53,2599.2 4416.75,2629.42 4478.73,2629.42 4505.1,2655.79 U18.2@4547.6,2655.79
5V_DEBUG: CN5.1 D17.A | length 305.1
  Top Layer w10: D17.A@4690,2830 4835,2685 CN5.1@4935,2685
5V_EXT: CN15.2 CN16.2 CN18.6 CN19.2 CN20.8 CN21.4 CN22.1 CN23.4 CN24.1 CN25.2 CN27.4 R45.1 R50.1 U6.8 | length 12069.1
  Top Layer w10: CN18.6@2221.54,3123.46 CN18.6@2224.41,3123.46
  Top Layer w20: CN16.2@473,1375 415,1433 415,2227.01 CN21.4@473,2285.01 415,2343.01 415,2662.01 CN23.4@473,2720.01 415,2778.01 415,3097.01 CN27.4@473,3155.01 547.92,3229.93 745.73,3229.93 745.85,3230.05 1119.95,3230.05 1120,3230 1120.05,3230.05 1356.65,3230.05 CN20.8@1463.23,3123.47 1569.77,3230.01 1772.67,3230.01 cw(c1775.59,3123.46) 1778.51,3230.01 1997.08,3230.01 cw(c2000,3123.46) 2002.92,3230.01 2117.87,3230.01 2221.54,3126.34 CN18.6@2221.54,3123.46
  Top Layer w100: CN25.2@473,415 473,515 ; CN16.2@473,1375 CN15.2@473,1055 CN19.2@473,735 473,515 ; CN24.1@785,515 473,515
  Bottom Layer w10: 415,1685 U6.8@652.4,1685 ; R50.1@700,1406.5 684.09,1390.59 684.09,1364.09 675,1355 675,1316.85 R45.1@691.85,1300 691.85,1302.39 R45.1@716.38,1326.91
  Bottom Layer w20: CN16.2@473,1375 415,1433 415,2227.01 CN21.4@473,2285.01 415,2343.01 415,2662.01 CN23.4@473,2720.01 415,2778.01 415,3097.01 CN27.4@473,3155.01 415,3213.01 415,3560 455,3600 655,3600 675,3580 675,3285 729.95,3230.05 1031.67,3230.05 1356.65,3230.05 CN20.8@1463.23,3123.47 1569.81,3230.05 2117.83,3230.05 CN18.6@2224.41,3123.46
  Bottom Layer w100: CN25.2@473,415 473,515 ; CN16.2@473,1375 CN15.2@473,1055 CN19.2@473,735 473,515 ; CN22.1@1320,510 1210,620 848.48,620 792,563.52 792,522 CN24.1@785,515 473,515
5V_EXT_RAW: C13.1 C14.1 C15.1 C19.1 C20.1 L1.2 R51.1 XF3.1 XF3.2 | length 632.1
  Layer 2 w30: XF3.1@1616.5,1326.14 1704.99,1237.64 1937.64,1237.64 v1(1970,1270)
  Bottom Layer w10: C20.1@1781.46,960 1784.57,963.11 C20.1@1787.68,966.22 ; R51.1@1925,1298.54 1927.95,1298.54 1953.89,1272.61 1967.39,1272.61 v1(1970,1270) 1970.78,1270.78 2035.07,1270.78 2061.85,1297.56 C15.1@2105,1297.56
  Bottom Layer w60: L1.2@1228.46,955 L1.2@1228.46,964.84 ; XF3.1@1611.78,1321.43 XF3.1@1616.5,1326.14
5V_FB: C18.1 R51.2 R52.2 U5.4 | length 810.5
  Layer 2 w10: v1(1880,1285) 1879.27,1285.73 1879.27,1575.58 1885,1581.31 v1(1885,1585)
  Bottom Layer w10: v1(1880,1285) 1880,1283.5 1922.05,1241.46 R51.2@1925,1241.46 ; v1(1885,1585) 1907.06,1607.06 2013.98,1607.06 2026.27,1619.34 2026.27,1651.35 U5.4@2030,1655.08 ; R51.2@1925.98,1240.47 1932.17,1240.47 R52.2@2010,1240.47 ; R51.2@1932.17,1237.24 2016.46,1152.95 C18.1@2016.46,1105
5V_INT: C56.2 C58.1 C59.2 C73.1 C74.1 C89.1 D17.K L4.2 R82.1 R84.1 U14.3 U17.3 | length 4441.8
  Top Layer w10: v1(2530,1145) C74.1@2530,1222.44 2580.91,1222.44 C73.1@2585,1226.54 ; C73.1@2605,1216.54 2830.04,1216.54 C56.2@3010,1396.5 ; R84.1@2873.54,1405 3001.5,1405 C56.2@3010,1396.5 ; U14.3@3140,1407.89 3264.67,1407.89 C89.1@3275,1397.56 3275,1394.68 3242.08,1361.76 3242.08,1266.27 3291.51,1216.83 3291.51,1186.99 3359.57,1118.94 R82.1@3359.57,1115 3359.57,1111.06 3396.19,1074.44 3530.94,1074.44 C58.1@3566.5,1110 3598.64,1077.85 3598.64,1064.6 3634.8,1028.44 3760.65,1028.44 3875.79,1143.58 3875.79,1433.94 3845.11,1464.62 v1@3825,1464.62 ; U14.3@3140,1412.24 3134.58,1406.83 3020.33,1406.83 C56.2@3010,1396.5 ; L4.2@3640,1470.12 3689.21,1470.12 3715.87,1443.46 C59.2@3770,1443.46 3790.59,1464.06 3824.43,1464.06 v1@3825,1464.62 ; v1(3825,1471.04) v1@3825,1464.62 ; v1(4085,2450) 4265.09,2450 4599.25,2784.16 4599.25,2823.19 4606.06,2830 D17.K@4610,2830
  Bottom Layer w10: v1(2530,1145) U17.3@2530,1216.22 ; v1(3825,1471.04) 3825,2190 v1(4085,2450)